# Altium PCB PA_8CH_CTRL.PcbDoc (part 3 of 10)
Units mm, origin at the board's own origin, x right, y up, seen from the top; angles counter-clockwise.
Board outline 390 x 110 mm, 4 copper layers (Component Side, Signal Layer 1, Power Plane, Solder Side), stack 1.604 mm thick; 833 components, 525 nets, 2536 pads, 1881 vias.
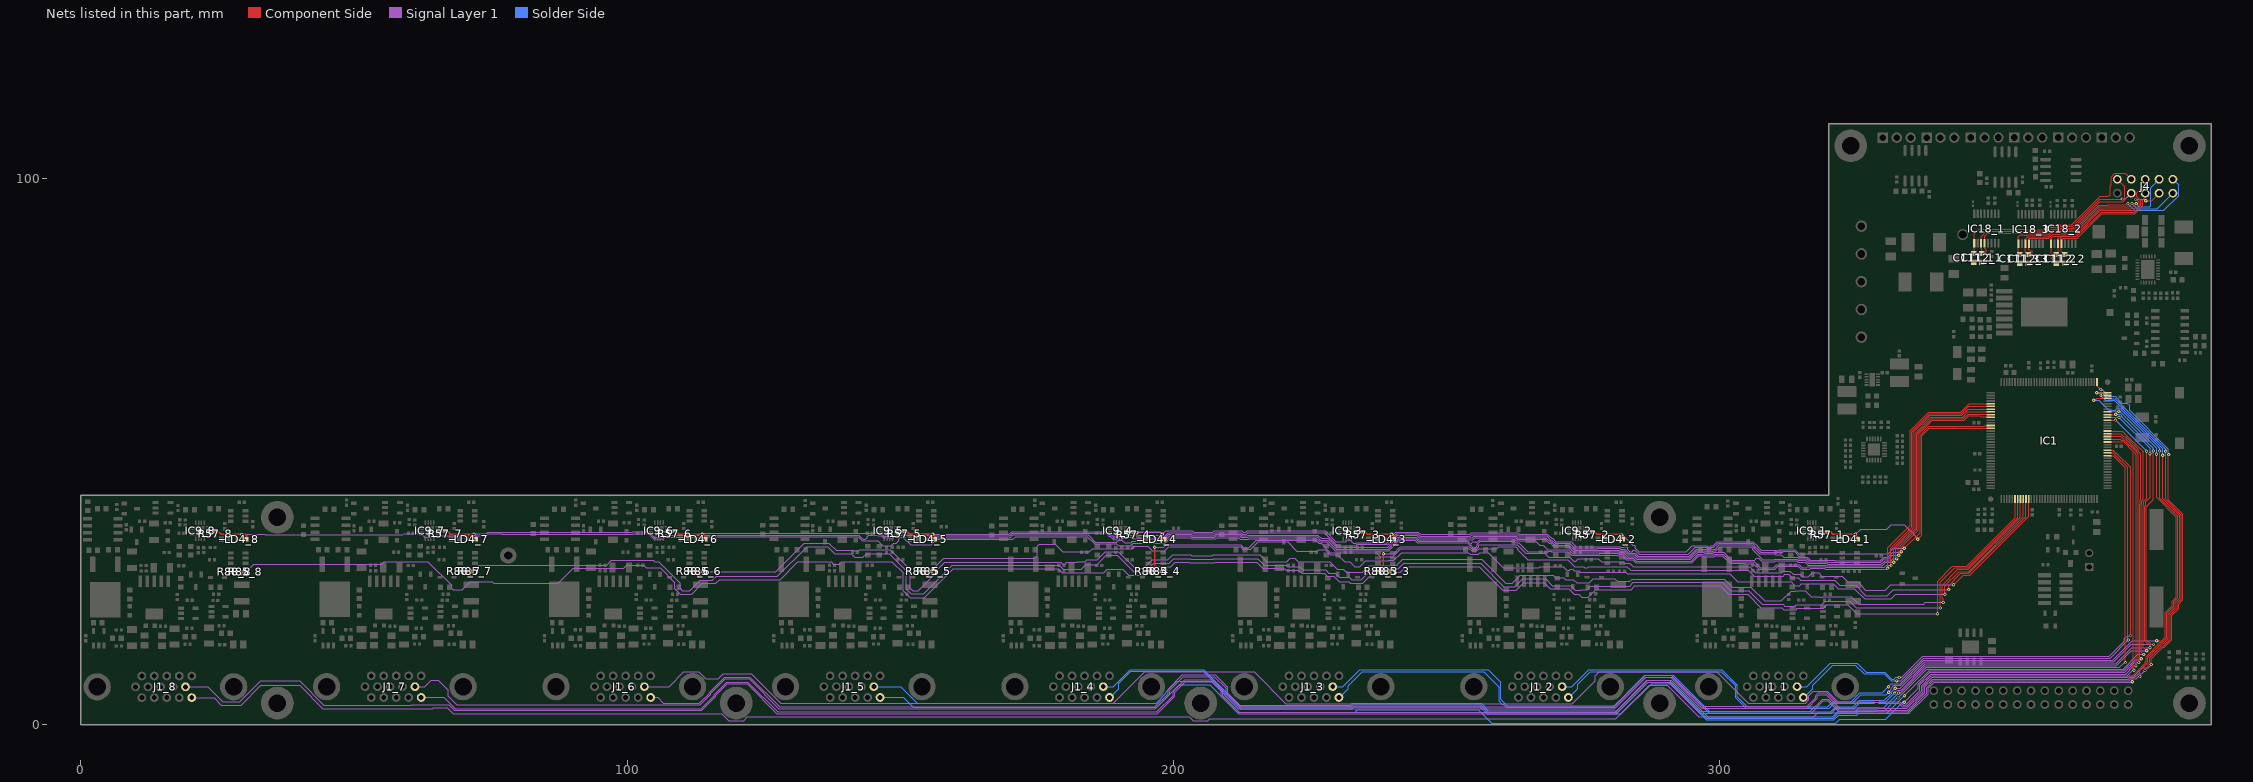
[diagram p5: the nets of this part, all layers, seen from the top]

## Part data
C1 C2 C5 C6 C7 C8 C9 C11 C12 C13 C14 C15 C23 C39_1 C39_2 C39_3 C39_4 C39_5 C39_6 C39_7 C39_8 C43_1 C43_2 C43_3 C43_4 C43_5 C43_6 C43_7 C43_8 C44_1 C44_2 C44_3 C44_4 C44_5 C44_6 C44_7 C44_8 C45_1 C45_2 C45_3 C45_4 C45_5 C45_6 C45_7 C45_8 C46_1 C46_2 C46_3 C46_4 C46_5 C46_6 C46_7 C46_8 C47_1 C47_2 C47_3 C47_4 C47_5 C47_6 C47_7 C47_8 C49_1 C49_2 C49_3 C49_4 C49_5 C49_6 C49_7 C49_8 C50_1 C50_2 C50_3 C50_4 C50_5 C50_6 C50_7 C50_8 C51_1 C51_2 C51_3 C51_4 C51_5 C51_6 C51_7 C51_8 C52 C53 C60_1 C60_2 C60_3 C60_4 C60_5 C60_6 C60_7 C60_8 C65: library part CC0402_100NF_16V_10%_X7R, "Non-polarised capacitor"
C3 C4: library part CC0402_12PF_50V_5%_C0G, "Non-polarised capacitor"
C10 C16: library part CC0805_10UF_10V_10%_X7R, "Non-polarised capacitor"
C17 C18: library part CC0603_2.2UF_10V_20%_X7R, "Non-polarised capacitor"
C19_1 C19_2 C19_3 C19_4 C19_5 C19_6 C19_7 C19_8 C42_1 C42_2 C42_3 C42_4 C42_5 C42_6 C42_7 C42_8: library part CC1206_10UF_16V_10%_X7R, "Non-polarised capacitor"
C20_1 C20_2 C20_3 C20_4 C20_5 C20_6 C20_7 C20_8: library part CC0402_3.3NF_50V_10%_X7R, "Non-polarised capacitor"
C21 C22: library part CC0805_1UF_35V_20%_X7R, "Non-polarised capacitor"
C24 C25 C63 C66 C67 C73: library part CC1206_10UF_50V_10%_X5R_TDK_CGA5L3X5R1H106K160AB, "Non-polarised capacitor"
C26: library part CC0402_22PF_50V_5%_C0G, "Non-polarised capacitor"
C27 C62: library part CC0402_1NF_50V_10%_X7R, "Non-polarised capacitor"
C28 C29 C30: library part CC1206_47UF_25V_20%_X5R, "Non-polarised capacitor"
C31: library part CTE7343-31_150UF_16V_10%_LESR0100, "Polarised capacitor"
C32_1 C32_2 C32_3 C32_4 C32_5 C32_6 C32_7 C32_8: library part CC1206_4.7UF_50V_+80%-20%_Y5V, "Non-polarised capacitor"
C33_1 C33_2 C33_3 C33_4 C33_5 C33_6 C33_7 C33_8 C34_1 C34_2 C34_3 C34_4 C34_5 C34_6 C34_7 C34_8 C36_1 C36_2 C36_3 C36_4 C36_5 C36_6 C36_7 C36_8 C37_1 C37_2 C37_3 C37_4 C37_5 C37_6 C37_7 C37_8: library part CC0805_1UF_50V_10%_X7R, "Non-polarised capacitor"
C35: library part CC0603_2.2UF_16V_10%_X5R, "Non-polarised capacitor"
C38_1 C38_2 C38_3 C38_4 C38_5 C38_6 C38_7 C38_8 C40_1 C40_2 C40_3 C40_4 C40_5 C40_6 C40_7 C40_8 C41_1 C41_2 C41_3 C41_4 C41_5 C41_6 C41_7 C41_8 C70 C71 C72: library part CC0603_10NF_50V_5%_C0G, "Non-polarised capacitor"
C48_1 C48_2 C48_3 C48_4 C48_5 C48_6 C48_7 C48_8: library part CC0402_NO-VALUE, "Non-polarised capacitor"
C54 C56 C58 C64 C68 C69: library part CC0805_22UF_16V_10%_X5R, "Non-polarised capacitor"
C55 C57: library part CC0402_100NF_16V_10%_X5R, "Non-polarised capacitor"
C59: library part CC0603_100NF_50V_10%_X5R, "Non-polarised capacitor"
C61: library part CAE1900-1680_4700UF_16V_20%, "Polarised capacitor"
C109_1 C109_2 C109_3 C110_1 C110_2 C110_3: library part CC0603_1UF_16V_10%_X7R, "Non-polarised capacitor"
C111_1 C111_2 C111_3 C112_1 C112_2 C112_3: library part CC0603_1NF_50V_10%_X7R, "Non-polarised capacitor"
C113_1 C113_2 C113_3: library part CC0201_100NF_6.3V_10%_X5R, "Non-polarised capacitor"
CON2_1 CON2_2 CON2_3 CON42_1 CON42_2 CON42_3: library part MOLEX_22-05-7038, "Connector 3 Male"
D1 D4: "Ultra Low Capacitance Double Rail-to-Rail ESD Protection Diode"
D2_1 D2_2 D2_3 D2_4 D2_5 D2_6 D2_7 D2_8 D3 D5: "Schottky Diode"
F1_1 F1_2 F1_3 F1_4 F1_5 F1_6 F1_7 F1_8: library part FUSR1210_TYCO-MICROSMD005F, "Fuse"
FB1 FB2: library part IND0805_MURATA_BLM21PG221SN1D, "Inductor"
IC1: "ARM Cortex-M4 32-bit MCU+FPU, 210 DMIPS, 1024 kB Flash, 192 kB Internal RAM, 114 I/Os, 144-pin LQFP, -40 to 85 degC, Tray"
IC2: library part VMON_STM809, "2.93V  Reset circuit"
IC3_1 IC3_2 IC3_3 IC3_4 IC3_5 IC3_6 IC3_7 IC3_8: "1.2V to 20V, 1.5A, Fast Transient Response, Low Noise, LDO Adjustable Regulator"
IC4: "300 mA, Low Noise, CMOS LDO Linear Regulator"
IC5: "LTC7149 - 60V, 4A Synchronous Step-Down Regulator for Inverting Outputs"
IC6_1 IC6_2 IC6_3 IC6_4 IC6_5 IC6_6 IC6_7 IC6_8 IC7_1 IC7_2 IC7_3 IC7_4 IC7_5 IC7_6 IC7_7 IC7_8 IC8_1 IC8_2 IC8_3 IC8_4 IC8_5 IC8_6 IC8_7 IC8_8: "Current Shunt Monitor -16V to +80V Common-Mode Range"
IC9_1 IC9_2 IC9_3 IC9_4 IC9_5 IC9_6 IC9_7 IC9_8: library part CMP-0003-02162-1, "12-Bit, 4-Channel Mux Input SAR ADC with Intelligent System Power Control, -40 to 85 degC, 16-pin QFN (RTE16), Green (RoHS & no Sb/Br)"
IC10: library part REF_MCP1525, "2.5 voltage reference"
IC11: "Low Voltage 8-Channel I2C Switch With Reset"
IC12: "4.75-28VDC to 1-6VDC, 500mA Step-Down Converter With Sleep Mode"
IC13_1 IC13_2 IC13_3 IC13_4 IC13_5 IC13_6 IC13_7 IC13_8: "200mA, Low Noise, Low Dropout Negative Micropower Regulator"
IC14_1 IC14_2 IC14_3 IC14_4 IC14_5 IC14_6 IC14_7 IC14_8: "Simple Power Sequencer"
IC15_1 IC15_2 IC15_3 IC15_4 IC15_5 IC15_6 IC15_7 IC15_8: "+2.7 V to +5.5 V, I2C Interface (Receive Only), Voltage Output, 12-Bit Digital-To-Analog Converter"
IC16: "Quad Operational Amplifier"
IC17: "Precision Reference 1=Adj 2=Cathode 3=Anode"
IC18_1 IC18_2 IC18_3: "2-Channel Temperature Monitor with Dual, Automatic, PWM Fan-Speed Controller"
IC19: "3A SIMPLE SWITCHER® Power Module with 42V Maximum Input Voltage"
J1_1 J1_2 J1_3 J1_4 J1_5 J1_6 J1_7 J1_8: "Connector High Density D-sub 15 Female"
J2: library part 3M_N2530-6002RB, "Connector 30 Male"
J3: library part PHOENIX_1755765, "Connector 5 Male"
J4: library part 3M_N2510-6003RB, "Connector 10 Male"
JP1: library part "CON_2x5 1.27 SMT Male", "1.27 mm dual row goldpin (Maritex)"
JP2: library part JUMPER, "Jumper"
L1 L2: library part IND_10UH_10%_MURATA-PS_8400, "Inductor With Core"
L3 L4 L5: library part IND2525_1.5UH_20%_VISHAY_IHLP-2525CZ, "Inductor With Core"
LD1_1 LD1_2 LD1_3 LD1_4 LD1_5 LD1_6 LD1_7 LD1_8 LD2_1 LD2_2 LD2_3 LD2_4 LD2_5 LD2_6 LD2_7 LD2_8 LD3 LD12_1 LD12_2 LD12_3 LD12_4 LD12_5 LD12_6 LD12_7 LD12_8 LD16 LD17 LD18: library part LED_KINGBRIGHT_KPH-1608CGCK, "LED Green 1C 2A"
LD4_1 LD4_2 LD4_3 LD4_4 LD4_5 LD4_6 LD4_7 LD4_8: library part LED_KINGBRIGHT_KPH-1608SURCK, "LED Red 1C 2A"
LD9 LD10 LD11 LD19: library part "LED_OSRAM_LG L29K-G2J1-24-Z", "LED Green 1C 2A"
PB1: library part PB_TYCO_FSMSM, "Push-Button Switch SPDT"
Q1: library part XTAL_8MHZ_TXC_7A-8.000MAAE-T, "Quartz Crystal"
R1 R2 R3 R4 R6 R11_1 R11_2 R11_3 R11_4 R11_5 R11_6 R11_7 R11_8 R15 R21 R22 R23 R24 R25 R40_1 R40_2 R40_3 R40_4 R40_5 R40_6 R40_7 R40_8 R50_1 R50_2 R50_3 R50_4 R50_5 R50_6 R50_7 R50_8 R51_1 R51_2 R51_3 R51_4 R51_5 R51_6 R51_7 R51_8 R52_1 R52_2 R52_3 R52_4 R52_5 R52_6 R52_7 R52_8 R57_1 R57_2 R57_3 R57_4 R57_5 R57_6 R57_7 R57_8 R59_1 R59_2 R59_3 R59_4 R59_5 R59_6 R59_7 R59_8 R85_1 R85_2 R85_3 R85_4 R85_5 R85_6 R85_7 R85_8 R86_1 R86_2 R86_3 R86_4 R86_5 R86_6 R86_7 R86_8 R88_1 R88_2 R88_3 R88_4 R88_5 R88_6 R88_7 R88_8 R89_1 R89_2 R89_3 R89_4 R89_5 R89_6 R89_7 R89_8 R92 R93 R104_1 R104_2 R104_3 R104_4 R104_5 R104_6 R104_7 R104_8 R108 R109 R112 R113 R147_1 R147_2 R147_3 R148_1 R148_2 R148_3 R149_1 R149_2 R149_3 R150_1 R150_2 R150_3: library part R0402_10K_1%_0.0625W_100PPM, "Resistor - 1%"
R5: library part R0402_49R9_1%_0.0625W_100PPM, "Resistor - 1%"
R7_1 R7_2 R7_3 R7_4 R7_5 R7_6 R7_7 R7_8 R12_1 R12_2 R12_3 R12_4 R12_5 R12_6 R12_7 R12_8 R87_1 R87_2 R87_3 R87_4 R87_5 R87_6 R87_7 R87_8 R91 R110: library part R0603_56K_1%_0.1W_100PPM, "Resistor - 1%"
R8_1 R8_2 R8_3 R8_4 R8_5 R8_6 R8_7 R8_8: library part R0603_16K_1%_0.1W_100PPM, "Resistor - 1%"
R9_1 R9_2 R9_3 R9_4 R9_5 R9_6 R9_7 R9_8 R29_1 R29_2 R29_3 R29_4 R29_5 R29_6 R29_7 R29_8: library part R0603_1K5_1%_0.1W_100PPM, "Resistor - 1%"
R10_1 R10_2 R10_3 R10_4 R10_5 R10_6 R10_7 R10_8: library part R0402_12K_1%_0.0625W_100PPM, "Resistor - 1%"
R13_1 R13_2 R13_3 R13_4 R13_5 R13_6 R13_7 R13_8: library part R0402_3K3_1%_0.0625W_100PPM, "Resistor - 1%"
R14 R18 R66 R67 R69 R83: library part R0402_0R_JUMPER, "Resistor"
R16: library part R0402_1M_1%_0.0625W_100PPM, "Resistor - 1%"
R17: library part R0603_137K_0.1%_0.063W_10PPM, "Resistor - 0.1%"
R19 R27: library part R0402_51K_1%_0.0625W_100PPM, "Resistor - 1%"
R20 R26: library part R0402_160K_1%_0.0625W_100PPM, "Resistor - 1%"
R28 R60 R61 R62 R63 R64 R65 R68 R70 R71 R72 R73 R74 R75 R76 R77 R78 R79 R80 R99 R100 R101 R102 R103 R111: library part R0402_2K2_1%_0.0625W_100PPM, "Resistor - 1%"
R30: library part R0603_33K_1%_0.1W_100PPM, "Resistor - 1%"
R31: library part R0603_4K7_1%_0.1W_100PPM, "Resistor - 1%"
R37_1 R37_2 R37_3 R37_4 R37_5 R37_6 R37_7 R37_8: library part R1206_0R02_1%_1W_150PPM, "Resistor - 1%"
R38_1 R38_2 R38_3 R38_4 R38_5 R38_6 R38_7 R38_8: library part R1206_4R7_1%_0.25W_200PPM, "Resistor - 1%"
R39_1 R39_2 R39_3 R39_4 R39_5 R39_6 R39_7 R39_8: library part R1206_0R1_1%_0.25W_100PPM_YAGEO_PT, "Resistor - 1%"
R43_1 R43_2 R43_3 R43_4 R43_5 R43_6 R43_7 R43_8 R44_1 R44_2 R44_3 R44_4 R44_5 R44_6 R44_7 R44_8 R46_1 R46_2 R46_3 R46_4 R46_5 R46_6 R46_7 R46_8 R47_1 R47_2 R47_3 R47_4 R47_5 R47_6 R47_7 R47_8 R48_1 R48_2 R48_3 R48_4 R48_5 R48_6 R48_7 R48_8 R49_1 R49_2 R49_3 R49_4 R49_5 R49_6 R49_7 R49_8 R90_1 R90_2 R90_3 R90_4 R90_5 R90_6 R90_7 R90_8: library part R0402_82R_1%_0.0625W_100PPM, "Resistor - 1%"
R45_1 R45_2 R45_3 R45_4 R45_5 R45_6 R45_7 R45_8 R53_1 R53_2 R53_3 R53_4 R53_5 R53_6 R53_7 R53_8 R54_1 R54_2 R54_3 R54_4 R54_5 R54_6 R54_7 R54_8 R55_1 R55_2 R55_3 R55_4 R55_5 R55_6 R55_7 R55_8 R56_1 R56_2 R56_3 R56_4 R56_5 R56_6 R56_7 R56_8 R84_1 R84_2 R84_3 R84_4 R84_5 R84_6 R84_7 R84_8 R107_1 R107_2 R107_3 R107_4 R107_5 R107_6 R107_7 R107_8: library part R0603_330R_1%_0.1W_100PPM, "Resistor - 1%"
R58_1 R58_2 R58_3 R58_4 R58_5 R58_6 R58_7 R58_8: library part R0402_15K_1%_0.0625W_100PPM, "Resistor - 1%"
R81: library part R0603_270K_1%_0.1W_100PPM, "Resistor - 1%"
R82: library part R0603_82K_1%_0.1W_100PPM, "Resistor - 1%"
R94: library part R0603_18K_1%_0.1W_100PPM, "Resistor - 1%"
R95: library part R0603_13K_1%_0.1W_100PPM, "Resistor - 1%"
R96: library part R0603_20K_1%_0.1W_100PPM, "Resistor - 1%"
R97: library part R0603_1K_1%_0.1W_100PPM, "Resistor - 1%"
R98: library part R0603_7K5_0.1%_0.063W_10PPM, "Resistor - 0.1%"
T1_1 T1_2 T1_3 T1_4 T1_5 T1_6 T1_7 T1_8: "PNP Transistor"
T2_1 T2_2 T2_3 T2_4 T2_5 T2_6 T2_7 T2_8 T3_1 T3_2 T3_3 T3_4 T3_5 T3_6 T3_7 T3_8 T6_1 T6_2 T6_3 T6_4 T6_5 T6_6 T6_7 T6_8: "N-CHANNEL MOSFET WITH DIODE"
T4_1 T4_2 T4_3: library part Q_IRF7304, "dual PMOS   20V 4,3A 2,0W 0,09R"
TP1: library part SMD_PAD_1.27X1.27MM
U1_1 U1_2 U1_3 U1_4 U1_5 U1_6 U1_7 U1_8: library part CMP-0322-00047-2, "High Efficiency Regulator Controller, 2 % Tolerance, 6 to 40 V, 0 to 70 degC, 8-pin SOIC (D), Green (RoHS & no Sb/Br)"

## Free pads (board coordinates)
  round 6 hole 3.2 unplated: 0(36,38) 1(36,4) 2(120,4) 3(205,4) 4(289,4) 5(386,4) 6(386,106) 7(324,106) 8(289,38)
  round 3 hole 1.5: 9(78.25,31)
  round 2 hole 1.5: 12(344.5,89.75)

## Via types
v1: diameter 0.6, hole 0.3, Component Side to Solder Side, tented both sides, 1530 vias
v2: diameter 0.6, hole 0.3, Component Side to Solder Side, 351 vias

## Nets (pads, with @x,y where several pads share a name; then routed paths per layer and width w, separated by ;. In a path a pad name is that pad's centre, name@x,y a point inside that pad or via, vN(x,y) a via of type N, cw(c..) or ccw(c..) an arc to the next point about the centre after c; other vN are vias at no path point)
ADC_IN0: IC1.34 J1_8.5 | length 436
  Component Side w0.152: v1(368.478,59.411) 368.773,59.411 369.108,59.746 370.975,59.746 IC1.34@371.024,59.795 ; v1(375.514,7.874) 375.514,8.93 377.881,11.297 377.881,11.52 378.104,11.744 378.104,12.512 380.706,15.113 381.044,15.113 381.861,15.93 381.861,20.409 383.134,21.682 383.134,22.504 383.905,23.275 383.905,38.159 380.568,41.495 v1(380.568,50.14)
  Signal Layer 1 w0.152: J1_8.5@19.83,4.991 24.397,4.991 25.755,3.633 29.38,3.633 32.975,7.229 40.054,7.229 44.285,2.997 64.465,2.997 64.567,3.099 67.11,3.099 68.151,2.057 117.377,2.057 118.663,0.771 121.337,0.771 122.039,1.473 202.961,1.473 203.663,0.771 206.337,0.771 206.658,1.092 280.965,1.092 284.859,4.986 284.859,5.002 287.086,7.229 290.409,7.229 296.164,1.473 317.245,1.473 317.956,2.184 328.597,2.184 328.694,2.088 334.657,2.088 338.191,5.622 338.191,6.696 339.268,7.772 375.412,7.772 v1(375.514,7.874)
  Solder Side w0.152: v1(368.478,59.411) 369.443,59.411 371.216,57.637 372.456,57.637 372.726,57.907 373.294,57.907 380.568,50.633 v1(380.568,50.14)
ADC_IN1: IC1.35 J1_8.10 | length 445.6
  Component Side w0.152: v1(369.799,60.274) 369.819,60.295 IC1.35@371.024,60.295 ; v1(376.936,8.865) 376.936,9.921 378.185,11.171 378.185,11.394 378.409,11.618 378.409,12.385 380.832,14.808 381.17,14.808 382.165,15.803 382.165,20.283 383.438,21.556 383.438,22.378 384.21,23.149 384.21,38.285 381.127,41.368 v1(381.127,49.378)
  Signal Layer 1 w0.152: J1_8.10@19.181,6.971 23.279,6.971 26.008,4.242 29.127,4.242 32.962,8.077 40.067,8.077 44.525,3.619 60.521,3.619 60.61,3.708 67.362,3.708 68.404,2.667 113.678,2.667 116.249,5.239 116.249,5.403 118.38,7.533 121.986,7.533 127.436,2.083 197.094,2.083 200.249,5.239 200.249,5.994 202.18,7.925 207.035,7.925 208.737,6.223 208.737,5.252 211.957,2.032 281.043,2.032 284.249,5.239 284.249,5.254 286.833,7.838 290.661,7.838 296.341,2.159 316.752,2.159 318.983,4.389 319.794,4.389 321.689,2.494 328.719,2.494 328.82,2.392 334.531,2.392 337.887,5.748 337.887,6.822 339.142,8.077 374.969,8.077 375.295,8.403 376.231,8.403 376.693,8.865 v1(376.936,8.865)
  Solder Side w0.152: v1(369.799,60.274) 370.688,59.385 372.247,59.385 381.106,50.526 381.106,49.398 v1(381.127,49.378)
ADC_IN2: IC1.36 J1_7.5 | length 400.9
  Component Side w0.152: v1(369.024,60.795) 369.571,60.795 369.58,60.803 371.016,60.803 IC1.36@371.024,60.795 ; v1(377.876,9.957) 378.49,10.571 378.49,11.268 378.714,11.492 378.714,12.259 380.958,14.503 381.297,14.503 382.47,15.677 382.47,20.157 383.743,21.43 383.743,22.252 384.514,23.023 384.514,38.411 381.656,41.27 381.656,50.094 v1(381.635,50.114)
  Signal Layer 1 w0.152: J1_7.5@61.83,5.02 66.482,5.02 68.53,2.972 113.552,2.972 115.945,5.365 115.945,5.529 118.253,7.838 122.112,7.838 127.563,2.388 196.967,2.388 199.945,5.365 199.945,6.12 202.054,8.23 207.188,8.23 209.042,6.375 209.042,5.378 212.083,2.337 280.917,2.337 283.945,5.365 283.945,5.381 286.707,8.143 290.788,8.143 296.467,2.464 316.626,2.464 318.857,4.694 319.92,4.694 321.815,2.799 328.845,2.799 328.946,2.697 334.405,2.697 337.582,5.875 337.582,6.948 339.015,8.382 374.843,8.382 375.168,8.707 376.031,8.707 376.717,9.393 377.312,9.393 v1(377.876,9.957)
  Solder Side w0.152: v1(369.024,60.795) 369.032,60.803 370.018,60.803 370.327,60.493 370.327,60.431 371.069,59.69 372.378,59.69 372.378,59.685 381.635,50.428 v1(381.635,50.114)
ADC_IN3: IC1.37 J1_7.10 | length 404.4
  Component Side w0.152: IC1.37@369.074,62.745 369.074,62.065 v1(369.748,61.392) ; v1(379.019,11.049) 379.019,12.133 381.084,14.199 381.423,14.199 382.775,15.551 382.775,20.031 384.048,21.304 384.048,22.126 384.819,22.897 384.819,38.538 382.118,41.239 382.118,49.403 v1(382.194,49.479)
  Signal Layer 1 w0.152: J1_7.10@61.181,7 62.975,7 64.139,8.164 65.412,8.164 67.268,6.308 67.268,5.232 68.838,3.662 113.38,3.662 115.335,5.617 115.335,5.782 118.001,8.448 122.364,8.448 127.815,2.997 196.715,2.997 199.335,5.617 199.335,6.373 201.802,8.839 207.493,8.839 209.652,6.68 209.652,5.631 212.31,2.972 280.69,2.972 283.335,5.617 283.335,5.633 286.455,8.753 291.04,8.753 296.719,3.073 316.123,3.073 317.886,4.836 317.886,5.248 318.195,5.558 319.487,5.558 321.942,3.104 328.971,3.104 329.073,3.002 334.278,3.002 337.277,6.001 337.277,7.075 338.889,8.687 374.717,8.687 375.042,9.012 375.905,9.012 377.378,10.485 378.455,10.485 v1(379.019,11.049)
  Solder Side w0.152: v1(369.748,61.392) 370.002,61.392 371.272,60.122 372.44,60.122 373.659,58.903 374.661,58.903 375.077,58.487 375.077,57.587 382.164,50.5 382.164,49.509 v1(382.194,49.479)
ADC_IN4: IC1.18 J1_6.5 | length 338.9
  Component Side w0.152: IC1.18@371.024,51.795 373.986,51.795 375.737,50.043 375.737,16.139 375.696,16.097 375.696,10.155 v1(375.844,10.008)
  Signal Layer 1 w0.152: J1_6.5@103.83,5.02 J1_6.5@104.322,5.02 105.597,5.02 106.65,3.967 113.253,3.967 115.03,5.744 115.03,5.908 117.875,8.753 122.491,8.753 127.941,3.302 196.589,3.302 199.03,5.744 199.03,6.499 201.675,9.144 207.67,9.144 209.956,6.858 209.956,5.757 212.437,3.277 280.563,3.277 283.03,5.744 283.03,5.759 286.328,9.057 291.166,9.057 296.842,3.382 316.001,3.382 317.581,4.962 317.581,5.374 318.069,5.863 319.614,5.863 321.51,3.967 328.339,3.967 328.533,4.161 328.971,4.161 329.17,3.962 332.806,3.962 333.462,3.307 334.152,3.307 336.972,6.127 336.972,7.201 338.763,8.992 374.59,8.992 375.606,10.008 v1(375.844,10.008)
ADC_IN5: IC1.19 J1_6.10 | length 339
  Component Side w0.152: IC1.19@371.024,52.295 373.364,52.295 373.559,52.099 374.112,52.099 376.042,50.169 376.042,49.616 376.225,49.434 v1(376.225,10.795)
  Signal Layer 1 w0.152: J1_6.10@103.181,7 107.695,7 110.424,9.729 113.127,9.729 114.448,8.407 116.667,8.407 117.622,9.362 122.743,9.362 128.114,3.991 188.98,3.991 194.742,9.754 207.924,9.754 207.949,9.729 214.771,9.729 220.614,3.886 273.024,3.886 277.25,8.112 277.25,9 277.979,9.729 299.133,9.729 299.517,9.728 305.254,3.991 315.748,3.991 316.351,4.594 316.351,5.364 317.154,6.167 319.74,6.167 321.636,4.271 328.213,4.271 328.407,4.466 329.097,4.466 329.296,4.267 332.932,4.267 333.588,3.612 334.026,3.612 336.667,6.253 336.667,7.327 338.637,9.296 374.32,9.296 375.818,10.795 v1(376.225,10.795)
ADC_IN6: IC1.20 J1_5.5 | length 287.1
  Component Side w0.152: IC1.20@371.024,52.795 373.443,52.795 373.833,52.404 374.238,52.404 376.347,50.295 376.347,49.89 376.631,49.606 376.631,40.586 376.601,40.556 376.601,11.587 v1(376.758,11.43)
  Signal Layer 1 w0.152: v1(333.807,4.14) 336.363,6.696 336.363,7.453 338.51,9.601 374.142,9.601 375.945,11.405 376.733,11.405 v1(376.758,11.43)
  Solder Side w0.152: J1_5.5@145.83,5.02 J1_5.5@146.322,5.02 150.607,5.02 152.401,3.226 196.944,3.226 201.058,7.341 206.649,7.341 211.678,2.311 233.274,2.311 233.71,2.747 255.828,2.747 258.291,0.284 321.239,0.284 321.996,1.041 330.387,1.041 333.486,4.14 v1(333.807,4.14)
ADC_IN7: IC1.21 J1_5.10 | length 293
  Component Side w0.152: IC1.21@371.024,53.295 373.425,53.295 374.011,52.709 374.364,52.709 376.652,50.422 376.652,50.068 377.119,49.601 377.119,41.312 376.986,41.179 376.986,40.51 376.906,40.43 376.906,12.375 v1(377.165,12.116)
  Signal Layer 1 w0.152: v1(333.832,5.334) 333.832,5.374 334.707,6.248 334.726,6.248 338.384,9.906 374.016,9.906 376.068,11.959 377.007,11.959 v1(377.165,12.116)
  Solder Side w0.152: J1_5.10@145.181,7 150.074,7 153.082,3.991 196.847,3.991 198.725,5.87 198.725,6.092 200.584,7.95 206.901,7.95 211.93,2.921 232.639,2.921 233.075,3.357 256.08,3.357 257.43,2.007 282.01,2.007 287.536,7.533 290.921,7.533 297.561,0.894 320.938,0.894 321.848,1.803 325.116,1.803 325.446,2.134 330.617,2.134 333.818,5.334 v1(333.832,5.334)
ADC_IN8: IC1.22 J1_4.5 | length 251.2
  Component Side w0.152: IC1.22@371.024,53.795 373.71,53.795 377.52,49.984 377.52,41.282 377.29,41.053 377.29,40.384 377.211,40.304 377.211,13.34 v1(377.647,12.903)
  Signal Layer 1 w0.152: v1(332.664,4.928) 333.228,5.492 333.228,5.506 337.933,10.211 373.848,10.211 376.541,12.903 v1(377.647,12.903)
  Solder Side w0.152: J1_4.5@187.83,5.02 188.45,5.02 190.004,6.574 190.004,7.598 192.236,9.83 205.452,9.83 211.98,3.302 232.543,3.302 232.903,3.662 256.206,3.662 257.557,2.311 281.33,2.311 286.856,7.838 291.047,7.838 297.687,1.199 320.812,1.199 321.721,2.108 324.99,2.108 325.473,2.591 330.2,2.591 332.537,4.928 v1(332.664,4.928)
ADC_IN9: IC1.13 J1_4.10 | length 240.8
  Component Side w0.152: IC1.13@371.024,49.295 372.032,49.295 374.294,47.032 v1(374.294,11.405)
  Signal Layer 1 w0.152: v1(332.816,5.842) 333.133,5.842 337.806,10.516 373.177,10.516 374.066,11.405 v1(374.294,11.405)
  Solder Side w0.152: J1_4.10@187.181,7 188.975,7 192.11,10.135 205.579,10.135 212.081,3.632 232.442,3.632 232.777,3.967 256.333,3.967 257.683,2.616 281.203,2.616 286.73,8.143 291.174,8.143 297.813,1.503 320.686,1.503 321.595,2.413 324.864,2.413 325.55,3.099 328.997,3.099 329.017,3.119 330.079,3.119 332.802,5.842 v1(332.816,5.842)
ADC_IN10: IC1.26 J1_3.5 | length 211.2
  Component Side w0.152: IC1.26@371.024,55.795 v1(372.475,55.795) ; v1(378.155,50.114) 378.155,41.486 377.595,40.926 377.595,40.257 377.515,40.178 377.515,14.229 v1(378.181,13.564)
  Signal Layer 1 w0.152: v1(332.029,5.817) 332.029,5.867 332.313,6.152 332.349,6.152 332.568,6.371 333.23,6.371 337.68,10.82 372.567,10.82 375.31,13.564 v1(378.181,13.564)
  Solder Side w0.152: J1_3.5@229.83,5.02 230.45,5.02 232.004,6.574 232.004,7.163 234.569,9.729 256.794,9.729 259.639,6.883 259.639,4.293 260.147,3.785 260.427,3.785 260.986,3.226 280.944,3.226 286.47,8.753 291.426,8.753 298.066,2.113 320.433,2.113 321.343,3.023 324.611,3.023 324.79,3.201 324.79,3.21 325.741,4.161 330.332,4.161 331.988,5.817 v1(332.029,5.817) ; v1(372.475,55.795) v1(378.155,50.114)
ADC_IN11: IC1.27 J1_3.10 | length 213
  Component Side w0.152: IC1.27@371.024,56.295 371.053,56.323 373.08,56.323 v1(373.109,56.295) ; v1(378.79,14.122) 378.79,14.529 377.82,15.499 377.82,40.051 377.975,40.206 377.975,40.875 378.79,41.69 v1(378.79,49.606)
  Signal Layer 1 w0.152: v1(332.13,6.68) 333.104,6.68 337.65,11.227 372.542,11.227 375.437,14.122 v1(378.79,14.122)
  Solder Side w0.152: J1_3.10@229.181,7 230.975,7 234.11,10.135 257.632,10.135 259.969,7.798 259.969,4.674 261.112,3.531 280.817,3.531 286.344,9.057 291.552,9.057 298.192,2.418 320.307,2.418 321.216,3.327 324.485,3.327 324.485,3.336 325.614,4.466 330.181,4.466 331.491,5.775 331.491,6.04 v1(332.13,6.68) ; v1(373.109,56.295) 378.79,50.613 v1(378.79,49.606)
ADC_IN12: IC1.28 J1_2.5 | length 167.4
  Component Side w0.152: IC1.28@371.024,56.795 372.491,56.795 v1(372.491,56.871) ; v1@379.4,14.757 v1(379.425,14.732) 379.018,14.732 378.125,15.625 378.125,39.925 379.4,41.2 v1(379.4,50.14)
  Signal Layer 1 w0.152: v1(330.962,5.994) 331.445,6.477 331.445,6.742 331.911,7.209 333.201,7.209 337.524,11.532 372.186,11.532 375.387,14.732 v1(379.425,14.732)
  Solder Side w0.152: J1_2.5@271.83,5.02 272.45,5.02 274.004,6.574 274.004,7.419 276.338,9.754 300.305,9.754 302.92,7.138 302.92,5.005 304.898,3.027 320.054,3.027 320.993,3.967 324.253,3.967 325.819,5.532 330.5,5.532 v1(330.962,5.994) ; v1(372.491,56.871) 372.512,56.85 373.301,56.85 373.637,56.514 373.637,56.41 379.4,50.648 v1(379.4,50.14)
ADC_IN13: IC1.29 J1_2.10 | length 169.8
  Component Side w0.152: IC1.29@371.024,57.295 371.955,57.295 372.059,57.399 373.055,57.399 v1(373.075,57.379) ; v1@379.984,15.469 v1(380.035,15.418) 380.918,15.418 381.556,16.056 381.556,20.536 382.829,21.809 382.829,22.631 383.6,23.402 383.6,38.033 379.984,41.649 v1(379.984,49.53)
  Signal Layer 1 w0.152: v1(330.937,6.985) 330.937,7.01 331.44,7.514 333.075,7.514 337.398,11.836 371.932,11.836 375.514,15.418 v1(380.035,15.418)
  Solder Side w0.152: J1_2.10@271.181,7 272.975,7 276.033,10.058 300.431,10.058 303.225,7.264 303.225,5.131 305.024,3.332 319.757,3.332 320.696,4.271 324.127,4.271 325.693,5.837 329.763,5.837 330.911,6.985 v1(330.937,6.985) ; v1(373.075,57.379) 373.228,57.379 379.984,50.622 v1(379.984,49.53)
ADC_IN14: IC1.14 J1_1.5 | length 103.1
  Component Side w0.152: IC1.14@371.024,49.795 372.013,49.795 372.349,49.459 372.368,49.459 374.68,47.147 374.68,15.692 v1(374.828,15.545)
  Signal Layer 1 w0.152: v1(332.435,8.052) 333.182,8.052 337.348,12.217 371.5,12.217 v1(374.828,15.545)
  Solder Side w0.152: J1_1.5@315.322,5.02 315.45,5.02 317.043,6.613 317.043,7.267 320.724,10.948 324.866,10.948 326.471,9.342 330.144,9.342 331.404,8.082 332.405,8.082 v1(332.435,8.052)
ADC_IN15: IC1.15 J1_1.10 | length 104
  Component Side w0.152: IC1.15@371.024,50.295 372.082,50.295 372.166,50.211 372.166,50.073 372.475,49.763 372.613,49.763 375.234,47.142 375.234,16.383 v1(375.209,16.358)
  Signal Layer 1 w0.152: v1(332.898,8.678) 333.377,8.678 337.221,12.522 371.348,12.522 374.091,15.265 374.091,15.773 374.675,16.358 v1(375.209,16.358)
  Solder Side w0.152: J1_1.10@314.181,7 315.975,7 320.228,11.253 325.196,11.253 326.801,9.647 330.27,9.647 331.53,8.387 331.968,8.387 332.26,8.678 v1(332.898,8.678)
ALERTN_CH0: IC1.77 IC9_8.2 LD4_8.1 R57_8.1 | length 366.2
  Component Side w0.152: v1@29.388,34.852 v1(29.464,34.852) ; v1(330.784,28.702) 330.784,32.45 334.856,36.522 334.856,53.803 338.304,57.252 344.114,57.252 345.657,58.795 IC1.77@349.624,58.795
  Component Side w0.254: IC9_8.2@23.319,35.281 25.273,35.281 25.702,34.852 v1@29.388,34.852 ; v1(29.464,34.852) 30.148,34.852 30.423,34.577 LD4_8.1@30.423,33.98
  Signal Layer 1 w0.152: v1(29.464,34.852) 33.68,34.852 33.761,34.771 58.951,34.771 59.205,35.025 62.299,35.025 62.983,34.341 64.809,34.341 65.049,34.581 71.546,34.581 71.775,34.352 72.213,34.352 72.528,34.667 74.345,34.667 74.624,34.945 77.126,34.945 77.155,34.917 101.097,34.917 101.205,35.025 103.949,35.025 104.888,34.087 106.694,34.087 106.998,34.39 113.104,34.39 113.447,34.047 114.137,34.047 114.527,34.438 142.305,34.438 143.079,33.663 145.929,33.663 146.822,32.771 148.377,32.771 148.855,33.249 149.287,33.249 149.728,33.69 149.728,34.068 150.047,34.387 150.485,34.387 151.928,32.944 155.667,32.944 156.69,33.966 170.633,33.966 171.129,34.463 184.28,34.463 185.591,33.152 189.57,33.152 189.976,32.745 192.107,32.745 192.636,33.274 198.428,33.274 199.433,34.279 202.997,34.279 203.245,34.031 207.755,34.031 208.003,34.279 212,34.279 212.276,34.002 213.724,34.002 213.833,34.111 226.201,34.111 226.79,33.522 228.025,33.522 229.665,31.882 239.467,31.882 241.364,33.779 244.219,33.779 244.673,33.325 253.788,33.325 254.24,32.872 254.427,32.872 254.848,32.451 255.286,32.451 255.595,32.761 255.595,33.032 256.188,33.625 262.441,33.625 262.692,33.374 263.195,33.374 264.845,31.725 268.699,31.725 268.723,31.749 269.161,31.749 269.173,31.736 272.226,31.736 272.918,31.044 278.152,31.044 278.197,31.088 281.259,31.088 281.4,30.947 282.149,30.947 282.899,30.197 284.08,30.197 284.61,29.667 294.916,29.667 296.216,30.967 296.915,30.967 297.067,30.815 299.02,30.815 299.172,30.967 300.529,30.967 301.933,29.564 304.563,29.564 304.589,29.539 306.188,29.539 307.271,28.456 310.052,28.456 310.623,29.027 314.406,29.027 314.987,28.447 316.507,28.447 316.707,28.646 319.192,28.646 319.331,28.507 330.589,28.507 v1(330.784,28.702)
ALERTN_CH1: IC1.78 IC9_7.2 LD4_7.1 R57_7.1 | length 321
  Component Side w0.152: v1(331.394,29.159) 331.348,29.205 331.348,32.347 335.16,36.16 335.16,53.677 338.43,56.947 344.24,56.947 345.588,58.295 IC1.78@349.624,58.295
  Component Side w0.254: IC9_7.2@65.319,35.31 67.255,35.31 67.684,34.881 v1(71.994,34.881) 72.252,34.623 72.252,34.18 LD4_7.1@72.423,34.009
  Signal Layer 1 w0.152: v1(71.994,34.881) 72.085,34.971 74.219,34.971 74.498,35.25 77.252,35.25 77.281,35.221 100.97,35.221 101.079,35.33 104.075,35.33 105.014,34.392 106.568,34.392 106.872,34.695 113.23,34.695 113.573,34.352 114.011,34.352 114.401,34.742 142.448,34.742 142.896,34.295 142.896,34.278 143.205,33.968 143.643,33.968 143.953,34.278 143.953,34.428 144.267,34.742 145.746,34.742 145.898,34.59 146.498,34.59 146.861,34.227 148.77,34.227 148.981,34.438 149.656,34.438 149.91,34.692 155.005,34.692 155.649,34.047 156.34,34.047 156.563,34.271 170.15,34.271 170.647,34.768 184.406,34.768 185.717,33.457 189.63,33.457 189.976,33.803 190.595,33.803 191.068,33.33 191.506,33.33 191.51,33.333 192.264,33.333 192.509,33.579 198.302,33.579 199.307,34.583 203.123,34.583 203.371,34.336 207.629,34.336 207.877,34.583 212.126,34.583 212.402,34.307 213.598,34.307 213.707,34.416 226.327,34.416 226.916,33.827 228.151,33.827 229.791,32.187 239.341,32.187 241.238,34.083 244.345,34.083 244.799,33.63 253.914,33.63 254.367,33.177 254.517,33.177 254.848,33.508 255.286,33.508 255.463,33.331 256.062,33.93 262.568,33.93 262.818,33.679 266.295,33.679 267.12,32.854 267.701,32.854 268.501,32.054 272.419,32.054 273.124,31.348 278.026,31.348 278.071,31.393 281.385,31.393 281.526,31.252 282.275,31.252 283.025,30.502 284.206,30.502 284.736,29.972 294.789,29.972 296.09,31.272 297.041,31.272 297.193,31.12 298.894,31.12 299.046,31.272 300.656,31.272 302.059,29.869 304.689,29.869 304.715,29.844 306.314,29.844 307.397,28.761 309.926,28.761 310.497,29.332 314.573,29.332 315.153,28.752 315.9,28.752 316.099,28.951 319.318,28.951 319.458,28.812 330.147,28.812 330.565,29.231 331.322,29.231 v1(331.394,29.159)
ALERTN_CH2: IC1.79 IC9_6.2 LD4_6.1 R57_6.1 | length 275.8
  Component Side w0.152: v1(331.876,29.769) 331.876,32.445 335.465,36.033 335.465,53.551 338.557,56.642 344.366,56.642 345.519,57.795 IC1.79@349.624,57.795
  Component Side w0.254: IC9_6.2@107.319,35.31 109.045,35.31 109.474,34.881 v1(113.792,34.881) 113.994,34.881 114.316,34.559 114.316,34.116 114.423,34.009 114.414,34 LD4_6.1@114.325,34
  Signal Layer 1 w0.152: v1(113.792,34.881) 113.958,35.047 145.872,35.047 146.025,34.895 146.624,34.895 146.987,34.531 148.643,34.531 148.854,34.742 149.53,34.742 149.784,34.996 155.131,34.996 155.775,34.352 156.213,34.352 156.437,34.576 170.024,34.576 170.521,35.073 187.58,35.073 188.139,34.514 188.484,34.514 188.89,34.107 190.789,34.107 191.068,34.387 191.181,34.387 191.185,34.39 192.264,34.39 192.607,34.047 198.34,34.047 199.18,34.888 203.25,34.888 203.497,34.64 207.503,34.64 207.75,34.888 212.252,34.888 212.529,34.612 213.471,34.612 213.58,34.721 225.144,34.721 225.166,34.742 226.431,34.742 227.042,34.132 228.277,34.132 229.917,32.491 239.215,32.491 241.111,34.388 244.471,34.388 244.925,33.934 254.843,33.934 255.143,34.234 262.694,34.234 262.944,33.984 268.084,33.984 268.851,33.217 269.064,33.217 269.374,32.908 269.374,32.843 269.603,32.614 272.29,32.614 273.251,31.653 277.9,31.653 277.945,31.698 281.511,31.698 281.652,31.557 282.402,31.557 283.152,30.807 284.332,30.807 284.862,30.277 294.663,30.277 295.963,31.577 297.167,31.577 297.32,31.425 298.768,31.425 298.92,31.577 300.782,31.577 302.185,30.174 304.816,30.174 304.835,30.155 306.419,30.155 306.74,30.475 307.208,30.475 307.782,29.901 310.119,29.901 310.241,30.023 314.099,30.023 314.307,29.815 315.662,29.815 316.22,29.256 319.445,29.256 319.584,29.117 329.751,29.117 330.403,29.769 v1(331.876,29.769)
ALERTN_CH3: IC1.80 IC9_5.2 LD4_5.1 R57_5.1 | length 232.7
  Component Side w0.152: v1(332.41,30.378) 332.288,30.501 332.288,32.425 335.77,35.907 335.77,53.424 338.683,56.337 344.492,56.337 345.45,57.295 IC1.80@349.624,57.295
  Component Side w0.254: IC9_5.2@149.319,35.31 151.31,35.31 151.74,34.881 v1(155.994,34.881) 156.423,34.452 LD4_5.1@156.423,34.009
  Signal Layer 1 w0.152: v1(155.994,34.881) 169.898,34.881 170.394,35.377 187.706,35.377 188.265,34.819 188.61,34.819 189.016,34.412 190.663,34.412 190.942,34.692 191.055,34.692 191.059,34.695 193.065,34.695 193.099,34.661 193.537,34.661 193.571,34.695 197.432,34.695 197.775,34.352 198.213,34.352 199.061,35.2 203.369,35.2 203.624,34.945 207.376,34.945 207.631,35.2 212.372,35.2 212.655,34.917 213.345,34.917 213.628,35.2 227.651,35.2 230.054,32.796 233.492,32.796 233.716,33.02 239.312,33.02 240.985,34.693 244.598,34.693 245.052,34.239 254.717,34.239 255.017,34.539 262.82,34.539 263.071,34.289 268.21,34.289 268.977,33.522 269.19,33.522 269.794,32.918 272.416,32.918 273.377,31.958 277.773,31.958 277.818,32.003 281.638,32.003 281.779,31.862 282.528,31.862 283.278,31.112 284.459,31.112 284.989,30.582 294.537,30.582 295.837,31.882 297.293,31.882 297.446,31.729 298.641,31.729 298.794,31.882 299.318,31.882 300.074,32.638 305.709,32.638 306.044,32.303 306.044,32.07 307.908,30.205 309.993,30.205 310.115,30.328 314.226,30.328 314.434,30.12 315.788,30.12 316.347,29.561 319.571,29.561 319.71,29.422 329.625,29.422 330.277,30.074 331.419,30.074 331.724,30.378 v1(332.41,30.378)
ALERTN_CH4: IC1.81 IC9_4.2 LD4_4.1 R57_4.1 | length 189
  Component Side w0.152: v1(332.816,31.064) 332.745,31.136 332.745,32.451 336.075,35.781 336.075,53.298 338.809,56.032 344.619,56.032 345.478,56.891 349.528,56.891 IC1.81@349.624,56.795
  Component Side w0.254: IC9_4.2@191.319,35.31 192.469,35.31 R57_4.1@192.598,35.181 ; R57_4.1@192.684,35.268 193.24,35.268 v2(193.318,35.19) ; v1(197.994,34.881) 198,34.875 198,34.325 LD4_4.1@198.325,34
  Signal Layer 1 w0.152: v1(197.994,34.881) 198.618,35.504 203.496,35.504 203.75,35.25 207.25,35.25 207.504,35.504 212.498,35.504 212.781,35.221 213.219,35.221 213.502,35.504 227.777,35.504 229.774,33.507 231.54,33.507 231.886,33.853 232.324,33.853 232.95,33.228 233.493,33.228 233.589,33.325 239.186,33.325 240.859,34.998 244.724,34.998 245.178,34.544 254.319,34.544 254.619,34.844 262.946,34.844 263.197,34.594 268.336,34.594 269.103,33.827 269.316,33.827 269.92,33.223 272.543,33.223 273.503,32.263 277.647,32.263 277.692,32.308 281.764,32.308 281.905,32.167 282.654,32.167 283.404,31.417 284.585,31.417 285.115,30.886 294.411,30.886 295.711,32.187 297.42,32.187 297.572,32.034 298.515,32.034 298.667,32.187 299.191,32.187 299.947,32.943 305.835,32.943 306.349,32.429 306.349,32.359 307.388,31.32 310.05,31.32 310.182,31.187 311.227,31.187 311.723,30.692 312.161,30.692 312.178,30.709 314.276,30.709 314.56,30.424 315.914,30.424 316.473,29.866 319.697,29.866 319.836,29.726 329.499,29.726 330.151,30.378 330.937,30.378 331.622,31.064 v1(332.816,31.064)
  Signal Layer 1 w0.254: v2(193.318,35.19) 193.378,35.25 197.625,35.25 v1(197.994,34.881)
ALERTN_CH5: IC1.82 IC9_3.2 LD4_3.1 R57_3.1 | length 144.5
  Component Side w0.152: v1(333.273,31.699) 333.253,31.72 333.253,32.528 336.38,35.655 336.38,53.172 338.935,55.728 344.745,55.728 345.604,56.586 347.666,56.586 347.869,56.383 349.536,56.383 IC1.82@349.624,56.295
  Component Side w0.254: IC9_3.2@233.319,35.31 234.469,35.31 R57_3.1@234.511,35.268 ; R57_3.1@234.696,35.268 235.147,35.268 235.534,34.881 v1(239.994,34.881) 240.019,34.881 240.325,34.575 LD4_3.1@240.325,34
  Signal Layer 1 w0.152: v1(239.994,34.881) 240.311,34.881 240.733,35.303 244.85,35.303 245.272,34.881 254.225,34.881 254.493,35.149 263.073,35.149 263.323,34.898 268.463,34.898 269.229,34.132 269.443,34.132 270.046,33.528 272.837,33.528 273.797,32.568 277.521,32.568 277.566,32.612 281.89,32.612 282.031,32.471 282.469,32.471 282.61,32.612 283.139,32.612 283.221,32.531 283.221,32.031 283.53,31.721 283.968,31.721 284.218,31.971 284.473,31.971 285.253,31.191 294.284,31.191 295.585,32.491 297.546,32.491 297.698,32.339 298.389,32.339 298.541,32.491 298.962,32.491 299.718,33.247 305.962,33.247 306.654,32.555 306.654,32.485 307.514,31.625 310.176,31.625 310.198,31.602 311.576,31.602 311.723,31.749 313.667,31.749 314.686,30.729 316.04,30.729 316.599,30.17 321.058,30.17 321.197,30.031 329.372,30.031 330.024,30.683 330.81,30.683 331.72,31.593 333.035,31.593 333.101,31.527 v1(333.273,31.699)
ALERTN_CH6: IC1.85 IC9_2.2 LD4_2.1 R57_2.1 | length 99
  Component Side w0.152: v1(333.781,32.309) 336.684,35.212 336.684,53.046 338.312,54.673 348.437,54.673 348.559,54.795 IC1.85@349.624,54.795
  Component Side w0.254: IC9_2.2@275.319,35.31 277.091,35.31 277.52,34.881 281.994,34.881 v1(282.097,34.778) 282.325,34.55 LD4_2.1@282.325,34
  Signal Layer 1 w0.152: v1(282.097,34.778) 282.225,34.778 284.11,32.893 284.354,32.893 284.528,32.719 284.528,32.347 285.176,31.699 293.852,31.699 294.949,32.796 297.672,32.796 297.825,32.644 298.263,32.644 298.415,32.796 298.836,32.796 299.592,33.552 306.088,33.552 306.959,32.682 306.959,32.611 307.64,31.929 310.302,31.929 310.324,31.907 310.811,31.907 310.957,32.054 313.793,32.054 314.533,31.313 330.83,31.313 331.826,32.309 v1(333.781,32.309)
ALERTN_CH7: IC1.86 IC9_1.2 LD4_1.1 R57_1.1 | length 53.6
  Component Side w0.152: v1(336.25,34) 336.989,34.739 336.989,52.919 338.364,54.295 IC1.86@349.624,54.295
  Component Side w0.254: IC9_1.2@318.319,35.31 320.322,35.31 320.751,34.881 v1(324.866,34.881) 324.866,34.773 325.423,34.216 LD4_1.1@325.423,34.009
  Signal Layer 1 w0.152: v1(324.866,34.881) 324.873,34.881 325.831,35.839 330.606,35.839 331.414,36.647 333.772,36.647 336.25,34.169 v1(336.25,34)
DXN_1: C111_1.1 C112_1.1 IC18_1.11 J4.8 | length 36.3
  Component Side w0.152: C111_1.1@346.5,84.675 346.525,84.675 347.275,85.425 347.275,85.625 347.925,86.275 C112_1.1@348,86.275 348,87 347.872,87.127 IC18_1.11@347.872,88.15 347.872,89.397 348.85,90.375 355.568,90.375 355.622,90.321 355.914,90.321 355.939,90.296 359.777,90.296 360.539,91.058 361.86,91.058 362.039,91.237 364.622,91.237 369.61,96.225 373.625,96.225 v2(373.675,96.275)
  Solder Side w0.152: v2(373.675,96.275) 374.305,96.275 J4.8@375.36,97.33
DXN_2: C111_2.1 C112_2.1 IC18_2.11 J4.5 | length 28.7
  Component Side w0.152: C112_2.1@363.15,84.5 363.15,84.575 C111_2.1@361.625,86.1 361.948,86.423 IC18_2.11@361.948,88.1 361.948,89.165 362.554,89.165 362.797,89.408 365.38,89.408 369.843,93.872 375.88,93.872 377.088,95.08 377.088,95.957 376.389,96.657 376.389,97.365 377.9,98.876 J4.5@377.9,99.87
DXN_3: C111_3.1 C112_3.1 IC18_3.11 J4.2 | length 36.6
  Component Side w0.152: C111_3.1@354.975,84.5 355.45,84.975 355.45,85.1 355.5,85.1 C112_3.1@356.5,86.1 355.973,86.628 IC18_3.11@355.973,88.05 355.973,88.923 356.432,89.382 360.156,89.382 360.918,90.144 362.239,90.144 362.418,90.323 365.001,90.323 369.517,94.839 371.276,94.839 371.308,94.87 374.948,94.87 v2(375.502,95.425)
  Solder Side w0.152: v2(375.502,95.425) 376.441,94.486 380.136,94.486 J4.2@382.98,97.33
DXP1_1: C111_1.2 IC18_1.9 J4.7 | length 39.3
  Component Side w0.152: C111_1.2@346.5,86.275 346.602,86.378 IC18_1.9@346.602,88.15 346.602,89.877 347.425,90.7 355.674,90.7 355.748,90.626 356.04,90.626 356.065,90.601 359.651,90.601 360.413,91.363 361.734,91.363 361.913,91.542 364.496,91.542 369.679,96.725 371.15,96.725 371.5,97.075 371.5,98.6 371.65,98.75 371.65,100.275 372.325,100.95 374.28,100.95 J4.7@375.36,99.87
DXP1_2: C111_2.2 IC18_2.9 J4.4 | length 30
  Component Side w0.152: C111_2.2@361.625,84.5 360.678,85.447 IC18_2.9@360.678,88.1 360.678,89.041 361.107,89.47 362.427,89.47 362.67,89.713 365.254,89.713 369.717,94.176 375.754,94.176 376.783,95.206 376.783,95.644 376.248,96.18 v2(376.118,96.18) ; v2(378,95.95) 379.06,95.95 J4.4@380.44,97.33
  Solder Side w0.152: v2(376.118,96.18) 377.82,96.18 378.05,95.95 v2(378,95.95)
DXP1_3: C111_3.2 IC18_3.9 J4.1 | length 40.4
  Component Side w0.152: C111_3.2@354.975,86.1 354.703,86.372 IC18_3.9@354.703,88.05 354.703,89.312 355.098,89.708 355.665,89.708 355.723,89.65 356.269,89.65 356.305,89.686 360.03,89.686 360.792,90.448 362.112,90.448 362.292,90.628 364.875,90.628 369.391,95.144 371.15,95.144 371.181,95.175 374.75,95.175 v2(374.75,95.425)
  Solder Side w0.152: v2(374.75,95.425) 375.994,94.181 381.306,94.181 384.009,96.884 384.009,98.841 J4.1@382.98,99.87
DXP2_1: C112_1.2 IC18_1.12 J4.9 | length 38.6
  Component Side w0.152: C112_1.2@348,84.675 348.025,84.65 348.7,84.65 348.875,84.825 348.875,86.097 348.855,86.117 348.855,86.92 348.507,87.268 IC18_1.12@348.507,88.15 348.507,89.482 349.038,90.013 355.791,90.013 355.829,89.975 355.875,89.975 355.891,89.991 359.903,89.991 360.665,90.753 361.986,90.753 362.165,90.932 364.749,90.932 369.591,95.775 373.427,95.775 373.456,95.746 373.894,95.746 374.204,96.056 374.204,98.486 J4.9@372.82,99.87
DXP2_2: C112_2.2 IC18_2.12 J4.6 | length 22.9
  Component Side w0.152: C112_2.2@363.15,86.1 362.583,86.668 IC18_2.12@362.583,88.1 362.583,88.861 362.685,88.861 362.749,88.924 362.789,88.924 362.789,88.97 362.923,89.104 365.506,89.104 369.969,93.567 376.006,93.567 377.471,95.032 377.471,96.169 377.781,96.479 ; 377.782,96.479 377.9,96.596 J4.6@377.9,97.33
DXP2_3: C112_3.2 IC18_3.12 J4.3 | length 36
  Component Side w0.152: C112_3.2@356.5,84.5 357.229,85.229 357.229,86.67 357.095,86.804 356.821,86.804 356.608,87.017 IC18_3.12@356.608,88.05 356.608,89.008 356.677,89.077 360.282,89.077 360.98,89.775 362.301,89.775 362.544,90.018 365.127,90.018 369.591,94.481 375.311,94.481 v2(376.255,95.425)
  Solder Side w0.152: v2(376.255,95.425) 376.805,94.875 378.75,94.875 378.929,95.054 378.929,98.358 J4.3@380.44,99.87
EN_PWR_CH0: IC1.114 R85_8.2 R88_8.2 | length 370.6
  Component Side w0.152: v1(339.887,20.361) 339.887,26.324 342.621,29.058 345.272,29.058 354.147,37.933 354.147,41.272 IC1.114@354.074,41.345
  Component Side w0.254: R88_8.2@28.562,28.067 R85_8.2@29.68,28.067 29.68,27.394 v1(29.667,27.381)
  Signal Layer 1 w0.152: v1(29.667,27.381) 31.648,29.362 55.067,29.362 55.55,29.845 63.551,29.845 67.874,25.522 67.874,25.003 68.183,24.694 68.621,24.694 68.667,24.74 69.825,24.74 71.318,26.233 75.254,26.233 75.27,26.218 75.327,26.218 75.616,25.929 76.245,25.929 76.286,25.887 76.724,25.887 76.795,25.959 87.427,25.959 90.118,28.65 99.389,28.65 99.924,29.185 103.073,29.185 103.505,28.753 106.046,28.753 108.737,26.062 108.737,24.917 109.703,23.952 111.862,23.952 113.792,25.883 116.23,25.883 116.942,26.594 128.015,26.594 131.249,29.828 136.454,29.828 136.471,29.845 137.354,29.845 137.761,29.438 138.887,29.438 139.314,29.866 148.493,29.866 150.546,27.813 150.546,24.579 151.859,23.266 154.447,23.266 159.756,28.575 178.9,28.575 179.628,27.847 187.283,27.847 187.909,28.473 190.754,28.473 191.868,27.36 195.023,27.36 196.645,28.981 199.54,28.981 200.328,29.769 202.828,29.769 202.9,29.697 207.6,29.697 207.672,29.769 215.241,29.769 216.36,28.65 219.184,28.65 219.21,28.625 220.404,28.625 220.683,28.345 222.913,28.345 223.496,27.762 227.611,27.762 228.195,27.178 229.363,27.178 230.359,26.183 232.172,26.183 232.391,25.964 234.649,25.964 236.473,27.788 240.212,27.788 240.401,27.977 241.54,27.977 242.545,28.981 255.983,28.981 260.275,24.689 262.761,24.689 264.132,26.06 267.868,26.06 269.042,24.887 272.369,24.887 273.355,23.901 274.258,23.901 274.787,23.373 275.961,23.373 277.362,24.773 283.792,24.773 284.49,25.471 300.132,25.471 301.702,23.901 305.106,23.901 307.545,21.463 311.355,21.463 311.702,21.116 314.001,21.116 314.255,21.37 319.032,21.37 319.658,21.996 323.444,21.996 325.08,20.361 v1(339.887,20.361)
EN_PWR_CH1: IC1.115 R85_7.2 R88_7.2 | length 326.8
  Component Side w0.152: v1(340.416,21.407) 340.416,26.116 343.052,28.753 345.399,28.753 354.574,37.929 IC1.115@354.574,41.345
  Component Side w0.254: R88_7.2@70.562,28.096 71.145,28.096 ; v1(71.145,27.432) 71.145,28.096 ; R85_7.2@71.68,28.096 71.145,28.096
  Signal Layer 1 w0.152: v1(71.145,27.432) 72.973,29.26 96.29,29.26 97.154,30.123 104.837,30.123 105.065,29.896 105.766,29.896 109.728,25.933 109.728,25.019 110.155,24.592 111.481,24.592 113.406,26.518 115.646,26.518 116.332,27.203 127.533,27.203 132.968,32.638 136.709,32.638 138.027,31.32 141.05,31.32 141.678,30.692 143.161,30.692 143.837,31.368 148.009,31.368 151.155,28.221 151.155,24.832 152.01,23.978 154.296,23.978 159.503,29.185 179.153,29.185 179.881,28.456 183.142,28.456 183.98,29.295 185.985,29.295 187.753,31.063 189.707,31.063 192.737,28.034 194.835,28.034 196.392,29.591 199.288,29.591 200.075,30.378 203.081,30.378 203.152,30.307 207.348,30.307 207.419,30.378 215.494,30.378 216.612,29.26 219.437,29.26 219.462,29.234 220.656,29.234 220.936,28.955 223.166,28.955 223.749,28.372 227.863,28.372 228.448,27.788 229.616,27.788 230.353,27.051 232.165,27.051 232.643,26.573 234.396,26.573 236.33,28.507 240.069,28.507 240.148,28.586 241.184,28.586 242.188,29.591 256.235,29.591 260.528,25.298 262.508,25.298 263.956,26.746 268.149,26.746 269.398,25.497 272.74,25.497 273.619,24.617 274.543,24.617 274.686,24.76 275.736,24.76 276.359,25.383 283.54,25.383 284.238,26.081 300.513,26.081 302.083,24.511 305.359,24.511 307.797,22.073 311.607,22.073 311.954,21.725 313.748,21.725 314.002,21.979 318.739,21.979 319.365,22.606 323.85,22.606 325.049,21.407 v1(340.416,21.407)
EN_PWR_CH2: IC1.116 R85_6.2 R88_6.2 | length 280
  Component Side w0.152: v1(340.944,22.403) 340.944,22.992 340.72,23.216 340.72,25.532 343.637,28.448 345.525,28.448 355.074,37.997 IC1.116@355.074,41.345
  Component Side w0.254: R88_6.2@112.562,28.096 113.132,28.096 ; v1(113.132,27.407) 113.132,28.096 ; R85_6.2@113.68,28.096 113.132,28.096
  Signal Layer 1 w0.152: v1(113.132,27.407) 113.716,27.991 127.203,27.991 132.46,33.247 136.962,33.247 138.28,31.929 141.302,31.929 141.324,31.907 142.45,31.907 142.597,32.054 148.185,32.054 151.842,28.396 151.842,25.007 152.262,24.587 153.325,24.587 156.062,27.325 156.062,27.702 158.155,29.794 179.405,29.794 179.761,29.438 180.199,29.438 180.509,29.748 182.376,29.748 182.533,29.904 183.828,29.904 184.175,30.251 186.08,30.251 187.501,31.673 189.96,31.673 192.989,28.643 194.556,28.643 196.164,30.251 198.984,30.251 199.873,31.14 203.181,31.14 203.405,30.917 207.095,30.917 207.319,31.14 215.824,31.14 217.095,29.869 219.689,29.869 219.709,29.85 220.806,29.85 221.432,30.475 222.194,30.475 222.851,29.818 228.667,29.818 230.039,28.447 231.123,28.447 231.635,27.935 234.717,27.935 235.898,29.117 239.817,29.117 239.896,29.196 240.93,29.196 242.037,30.302 256.439,30.302 260.833,25.908 262.052,25.908 263.546,27.402 269.535,27.402 269.988,26.949 271.501,26.949 271.882,26.568 273.228,26.568 273.812,25.984 276.098,25.984 276.885,26.772 280.848,26.772 281.356,26.264 283.539,26.264 283.966,26.691 300.842,26.691 302.362,25.171 305.74,25.171 308.229,22.682 311.328,22.682 313.106,24.46 313.814,24.46 313.936,24.582 315.677,24.582 316.79,23.47 318.284,23.47 318.352,23.402 318.79,23.402 318.858,23.47 324.129,23.47 325.501,22.098 337.337,22.098 337.642,22.403 v1(340.944,22.403)
EN_PWR_CH3: IC1.117 R85_5.2 R88_5.2 | length 225.7
  Component Side w0.152: v1(341.249,23.901) 341.249,25.425 343.891,28.067 345.575,28.067 355.574,38.066 IC1.117@355.574,41.345
  Component Side w0.254: v1(154.965,27.407) 154.965,28.096 R85_5.2@155.68,28.096
  Signal Layer 1 w0.152: v1(154.965,27.407) 154.965,27.467 158.004,30.505 174.65,30.505 175.108,30.963 175.108,32.741 175.463,33.096 178.384,33.096 179.807,31.674 184.648,31.674 185.256,32.282 192.455,32.282 192.837,32.664 195.326,32.664 196.113,31.877 198.425,31.877 199.131,32.583 212.312,32.583 212.735,32.16 214.177,32.16 215.518,33.501 220.905,33.501 222.606,31.801 225.259,31.801 225.263,31.797 226.34,31.797 226.597,32.054 227.796,32.054 228.684,31.166 230.022,31.166 231.37,29.818 232.284,29.818 233.167,28.935 234.117,28.935 235.212,30.031 239.438,30.031 239.517,30.11 240.396,30.11 241.833,31.547 254.028,31.547 254.343,31.232 255.791,31.232 256.106,31.547 257.608,31.547 260.393,28.761 266.926,28.761 267.12,28.956 271.424,28.956 272.059,28.321 272.559,28.321 272.685,28.447 273.123,28.447 273.401,28.169 274.321,28.169 274.513,27.977 282.839,27.977 283.105,27.71 301.83,27.71 303.348,26.192 312.487,26.192 312.507,26.213 313.092,26.213 313.798,25.506 314.646,25.506 314.976,25.837 320.772,25.837 321.691,24.917 324.688,24.917 326.542,23.063 331.394,23.063 332.232,23.901 v1(341.249,23.901)
EN_PWR_CH4: IC1.118 R85_4.2 R88_4.2 | length 182.3
  Component Side w0.152: v1(341.935,24.765) 341.935,25.513 344.134,27.711 345.65,27.711 356.074,38.135 IC1.118@356.074,41.345
  Component Side w0.254: R88_4.2@196.562,28.096 R88_4.2@196.669,28.096 ; v1(196.571,32.512) 196.571,28.194 R88_4.2@196.669,28.096 ; R85_4.2@197.68,28.096 R88_4.2@196.669,28.096
  Signal Layer 1 w0.152: v1(196.571,32.512) 198.272,32.512 198.704,32.944 212.383,32.944 212.862,32.465 213.808,32.465 215.149,33.806 226.074,33.806 226.663,33.217 227.064,33.217 228.734,31.547 237.134,31.547 237.866,30.815 240.212,30.815 241.66,32.263 254.174,32.263 254.595,31.842 255.538,31.842 255.959,32.263 259.229,32.263 259.604,32.638 262.709,32.638 263.044,32.303 263.044,32.067 264.906,30.205 265.398,30.205 265.419,30.226 272.248,30.226 273.493,28.981 275.096,28.981 275.346,28.732 275.784,28.732 276.033,28.981 282.391,28.981 282.394,28.978 283.035,28.978 283.694,28.32 303.595,28.32 303.62,28.345 304.058,28.345 304.084,28.32 305.277,28.32 306.36,27.237 311.605,27.237 311.922,27.554 312.613,27.554 313.243,26.924 314.412,26.924 314.89,26.446 321.074,26.446 321.967,25.552 324.917,25.552 326.796,23.673 330.682,23.673 331.774,24.765 v1(341.935,24.765)
EN_PWR_CH5: IC1.119 R85_3.2 R88_3.2 | length 137.2
  Component Side w0.152: v1(342.824,25.654) 344.576,27.407 345.777,27.407 356.574,38.204 IC1.119@356.574,41.345
  Component Side w0.254: v1(238.455,31.344) 238.455,28.203 R88_3.2@238.562,28.096 R85_3.2@239.68,28.096
  Signal Layer 1 w0.152: v1(238.455,31.344) 240.309,31.344 241.533,32.568 254.3,32.568 254.722,32.146 255.412,32.146 255.9,32.635 255.9,32.906 255.937,32.943 262.993,32.943 264.516,31.42 267.97,31.42 268.698,30.692 272.61,30.692 272.953,30.348 272.953,30.286 273.268,29.972 273.609,29.972 273.614,29.977 273.701,29.977 274.128,30.404 277.825,30.404 277.887,30.342 278.383,29.845 282.389,29.845 282.647,29.588 283.518,29.588 284.151,28.955 304.311,28.955 304.336,28.929 305.53,28.929 306.612,27.847 311.353,27.847 311.67,28.164 312.865,28.164 313.496,27.534 314.665,27.534 315.113,27.085 316.249,27.085 316.973,27.808 318.104,27.808 318.73,27.183 322.449,27.183 323.47,26.162 325.349,26.162 326.09,25.421 326.09,25.283 326.705,24.668 330.332,24.668 331.318,25.654 335.574,25.654 335.62,25.608 336.058,25.608 336.104,25.654 v1(342.824,25.654)